# KiCad board 10p_4psw.kicad_pcb (continued)
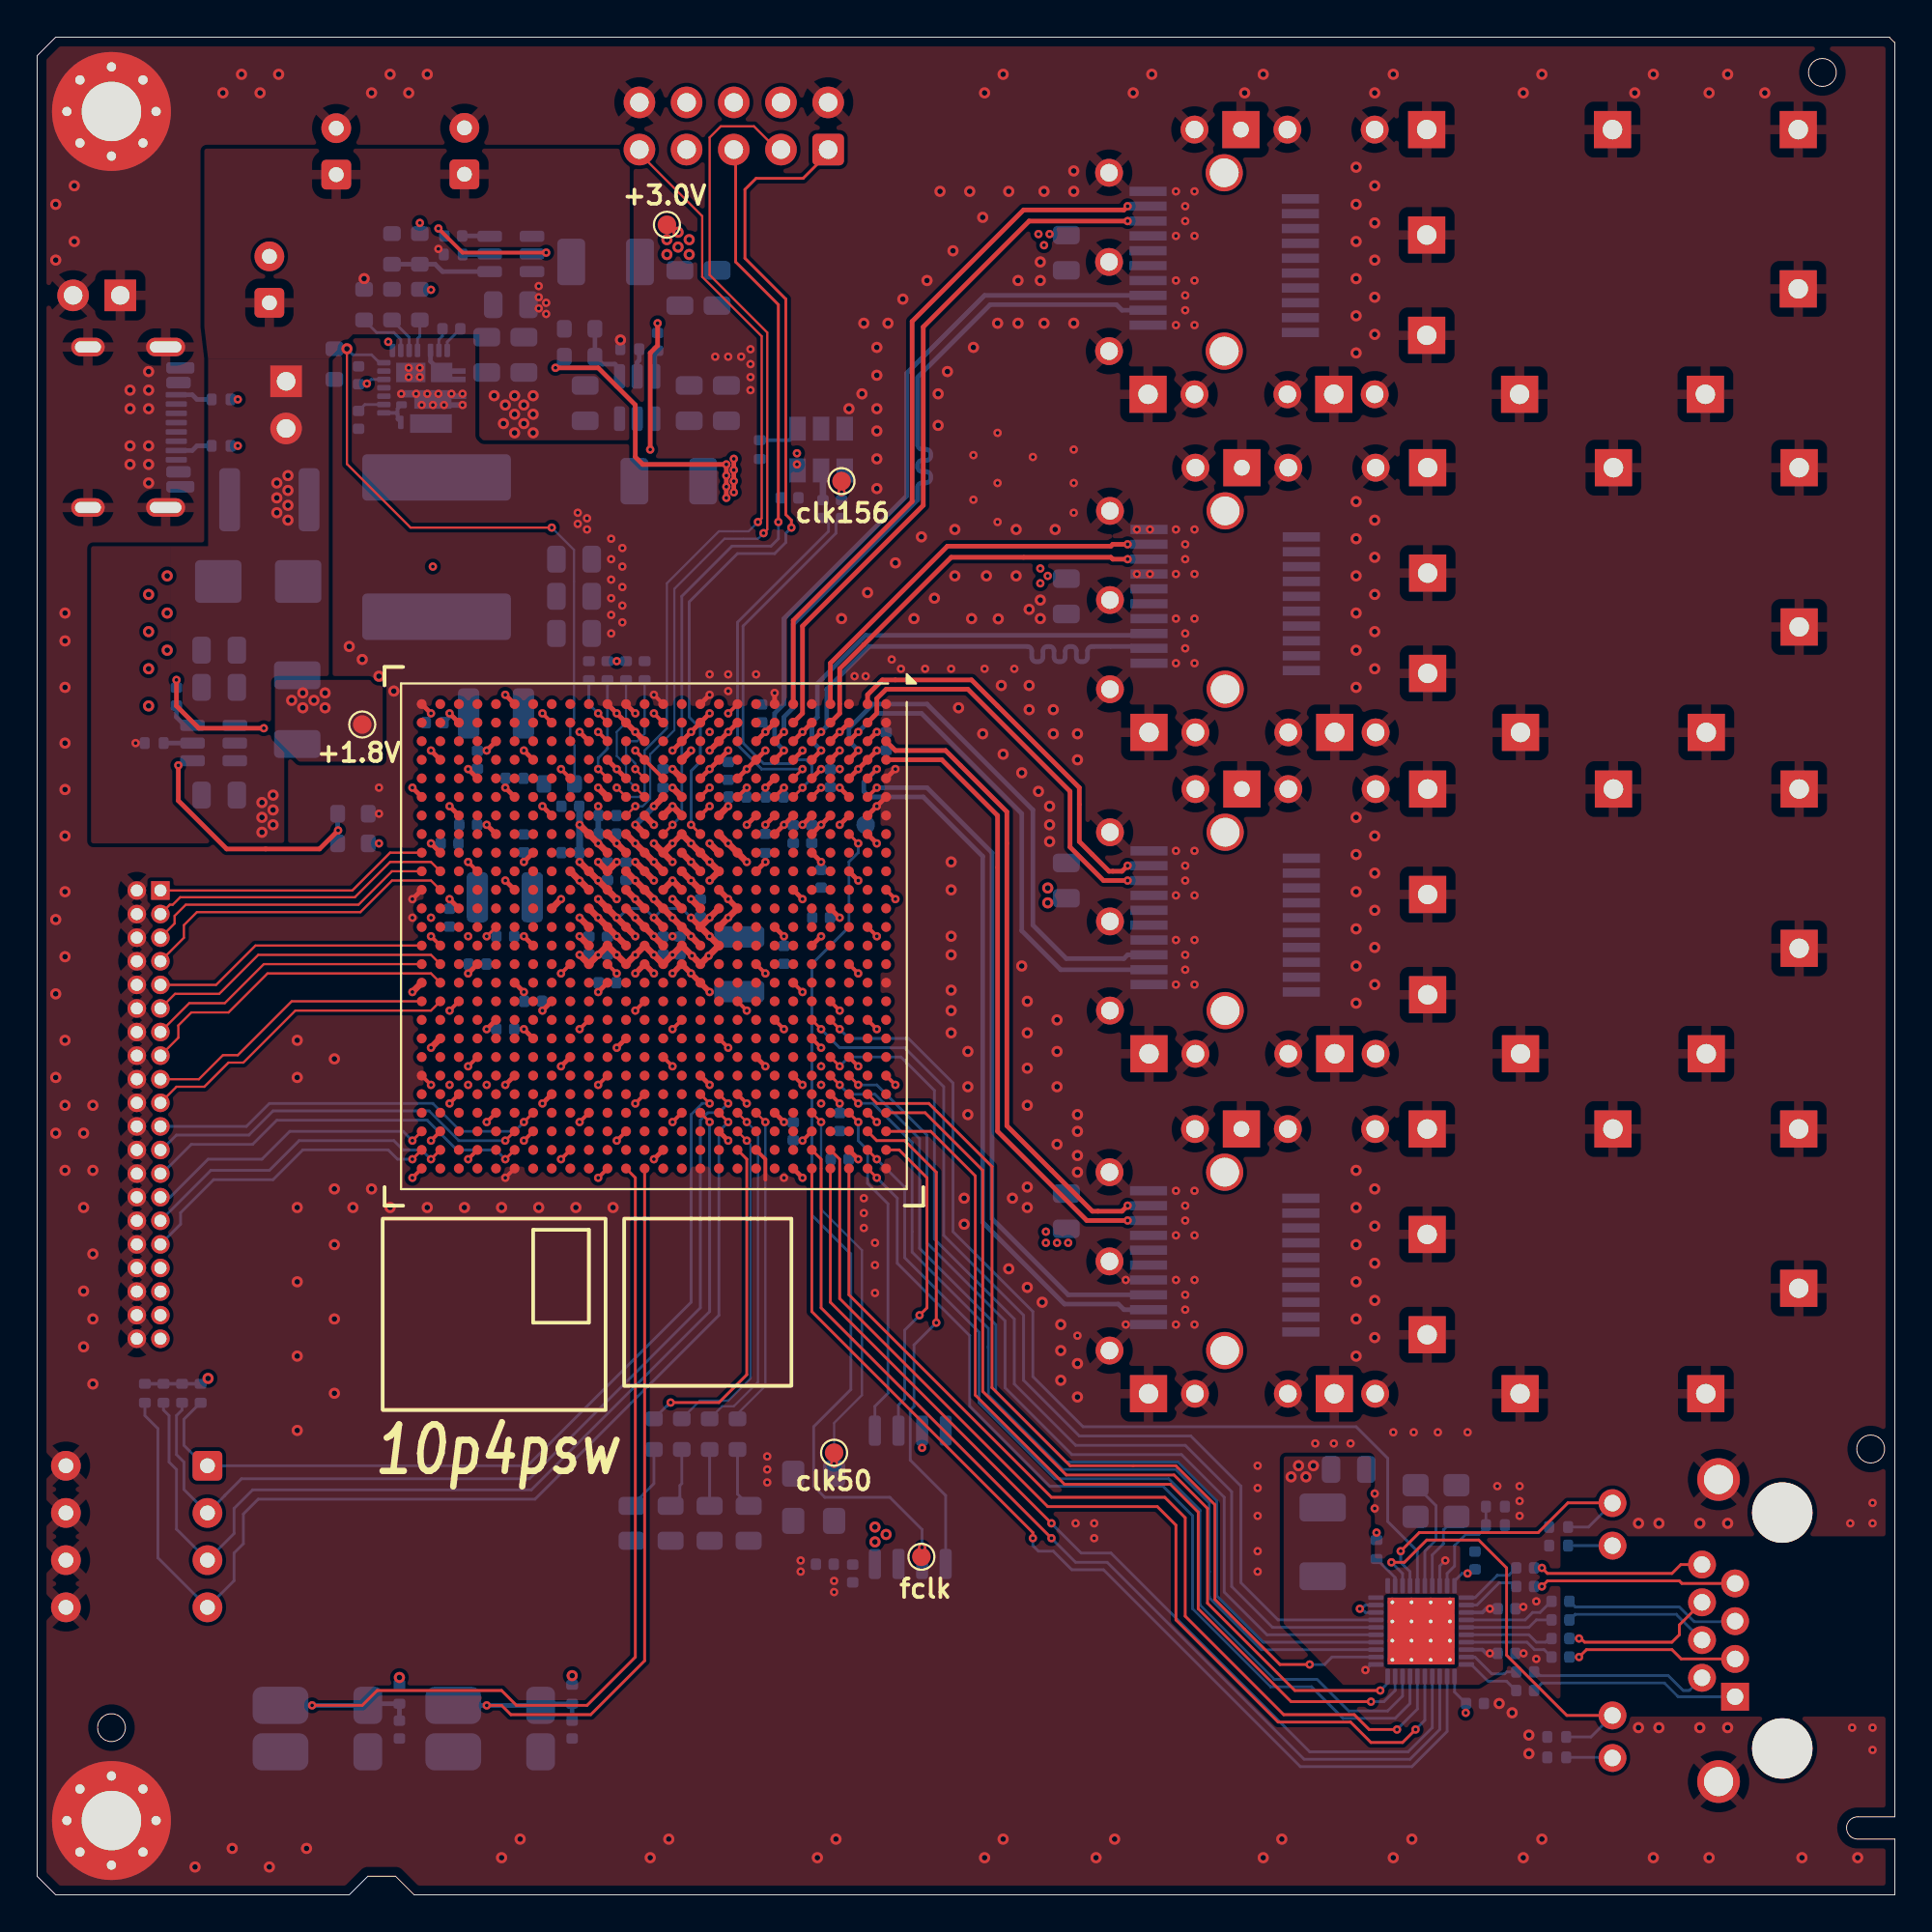
[diagram p0: board, top side]
## Routing (per net, layer and track width the routed paths; a pad name or vN(x,y) marks a point on that pad's centre or on a via; arc(x,y) is an arc through that point) (continued)
/clk50: length 21.7
  Top w0.12: U1.E23 v1(42.2,41.6)
  Bottom w0.12: v1(42.2,41.6) 42.2,36.9 44.4,34.7 44.4,26.9 42.9,25.4 Y2.3 v1(42.9,23.2)
/config_fclk: length 46.7
  Top w0.15: U1.C8 v1(44.2,56.6)
  Bottom w0.15: U5.6 v1(47.63,18.7) 47.63,19.66 45.9,21.4 42.4,21.4 41.8,22 41.8,25.2 43.8,27.2 43.8,34.5 41.7,36.6 41.7,50.1 43.7,52.1 43.7,55.6 44.2,56.1 v1(44.2,56.6)
/config_FCS: length 18.3
  Top w0.15: U1.C23 v1(44.2,41.6)
  Bottom w0.15: v1(44.2,41.6) 44.2,40.6 44.7,40.1 44.7,38.3 45.8,37.2 45.8,27 45.09,26.29 U5.1
/config_miso: length 17.1
  Top w0.15: v1(47.5,31.2) 47.9,31.6 47.9,38.6 46.4,40.1 U1.A25
  Bottom w0.15: U5.2 46.37,26.37 46.7,26.7 46.7,30.4 v1(47.5,31.2)
/config_mosi: length 27.1
  Top w0.15: v1(48.4,30.8) 48.4,38.9 46.7,40.6 45.2,40.6 U1.B24
  Bottom w0.15: U5.5 48.91,21.5 47,23.4 47,26.1 47.2,26.3 47.2,29.6 v1(48.4,30.8)
/dbp0: length 14.9
  Top w0.12: J9.1 16.97,54.06 19,56.1 U1.AF9
/dbp1: length 16.4
  Top w0.12: J9.3 7.14,53.3 7.3,53.3 7.7,53.7 17.1,53.7 19,55.6 21.2,55.6 U1.AE10
/dbp2: length 15.8
  Top w0.12: U1.AF10 19.1,55.1 17.3,53.3 8,53.3 7.4,52.7 7.4,52.29 J9.5
/dbp3: length 17.5
  Top w0.12: U1.AE11 21.2,54.6 19.1,54.6 17.4,52.9 8.6,52.9 7.9,52.2 7.9,51.52 J9.7
/dbp4: length 14.9
  Top w0.12: J9.9 9.64,48.98 11.75,51.1 U1.AF14
/dbp5: length 16.5
  Top w0.12: U1.AE15 21.2,50.6 11.9,50.6 9.8,48.5 7.42,48.5 J9.11
/dbp6: length 15.6
  Top w0.12: U1.AF15 12.2,50.1 10.1,48 8.19,48 J9.13
/dbp7: length 17.5
  Top w0.12: J9.15 7.6,46.14 7.6,46.8 8.3,47.5 10.3,47.5 12.4,49.6 21.2,49.6 U1.AE16
/dbp8: length 15.8
  Top w0.12: J9.17 8.7,43.91 10,45.2 10.8,45.2 13.7,48.1 U1.AF17
/dbp9: length 17.3
  Top w0.12: U1.AE17 21.2,47.6 13.9,47.6 11.1,44.8 10.3,44.8 9,43.5 7.5,43.5 6.64,42.64
/dip_sw0: length 46.1
  Top w0.15: U1.L22 v1(36.2,42.6)
  Bottom w0.15: R37.1 8.79,26.49 7.9,25.6 7.9,24.2 9,23.1 SW4.1 26.4,23.1 35.2,31.9 35.2,42 35.8,42.6 v1(36.2,42.6)
/dip_sw1: length 50.5
  Top w0.15: U1.K22 v1(37.2,42.6)
  Bottom w0.15: R36.1 7.8,26.1 7.5,25.8 7.5,23.7 7.9,23.3 7.9,21.82 SW4.2 10.1,21.49 10.1,21.5 11,22.4 26.5,22.4 35.7,31.6 35.7,41.7 36.1,42.1 36.7,42.1 v1(37.2,42.6)
/dip_sw2: length 53.7
  Top w0.15: U1.L23 v1(36.2,41.6)
  Bottom w0.15: v1(36.2,41.6) 36.2,31.4 26.6,21.8 11.6,21.8 10.6,20.8 10.6,19.45 SW4.3 7.5,19.69 7.5,22.9 7.1,23.3 7.1,25.8 6.8,26.1 R32.1
/dip_sw3: length 59.6
  Top w0.15: U1.K23 v1(37.2,41.6)
  Bottom w0.15: R31.1 5.8,25.8 6.5,25.1 6.5,18.15 SW4.4 10.6,16.91 10.6,18.4 11.1,18.9 11.1,20.5 11.9,21.3 26.8,21.3 36.7,31.2 36.7,41.1 v1(37.2,41.6)
/dph0: length 21.6
  Top w0.15: U1.Y23 v1(26.2,41.6)
  Bottom w0.15: J9.21 11.27,41.36 12.5,42.6 21.3,42.6 22.8,41.1 25.7,41.1 v1(26.2,41.6)
/dph1: length 20.8
  Top w0.15: U1.AA24 v1(25.2,40.6)
  Bottom w0.15: v1(25.2,40.6) 22.7,40.6 21.1,42.2 12.7,42.2 11.4,40.9 7.5,40.9 6.69,40.09 J9.23
/dph2: length 21.3
  Top w0.15: U1.AA25 v1(25.2,39.6)
  Bottom w0.15: v1(25.2,39.6) 24.7,40.1 22.6,40.1 21,41.7 12.9,41.7 11.6,40.4 8.3,40.4 6.72,38.83 J9.25
/dph3: length 15.9
  Top w0.15: U1.AF24 v1(20.2,40.6)
  Bottom w0.15: 6.64,37.56 7.16,37.56 9.2,39.6 12.1,39.6 13.6,41.1 19.7,41.1 v1(20.2,40.6)
/dph4: length 17.5
  Top w0.15: U1.AE25 v1(21.2,39.6)
  Bottom w0.15: J9.29 9.35,39 12.5,39 14.1,40.6 19.2,40.6 19.7,40.1 20.7,40.1 v1(21.2,39.6)
/dph5: length 16.9
  Top w0.15: U1.AF25 v1(20.2,39.6)
  Bottom w0.15: J9.31 7.72,36.1 7.72,36.72 9.5,38.5 12.7,38.5 14.3,40.1 18.9,40.1 19.4,39.6 v1(20.2,39.6)
/eth_attach_1: length 17.3
  Top w0.12: U1.H23 v1(39.2,41.6)
  Bottom w0.12: v1(39.2,41.6) 39.2,27.4 37.7,25.9 R38.2
/eth_attach_2: length 18.4
  Top w0.12: U1.J23 v1(38.2,41.6)
  Bottom w0.12: v1(38.2,41.6) 38.8,41 38.8,27.6 37.5,26.3 36.88,26.3 R39.2
/eth_attach_3: length 18.2
  Top w0.12: U1.J24 v1(38.2,40.6)
  Bottom w0.12: R50.2 35.68,26.6 37.2,26.6 38.4,27.8 38.4,40.4 v1(38.2,40.6)
/eth_attach_4: length 18.3
  Top w0.15: U1.J25 38.2,39.6 38.2,28 36.7,26.5 v1(34.1,26.5)
  Bottom w0.15: v1(34.1,26.5) 33.92,26.32 33.9,26.32 R19.2
/jTCK: length 45.1
  Top w0.15: v1(40.6,73.6) 40.6,74 40.3,74.3 40.3,85.9 38.1,88.1 38.1,91.8 38.7,92.4 41.23,92.4 42.58,93.75 ; U1.L8 v1(35.2,57.6)
  Bottom w0.15: v1(35.2,57.6) 35.2,60.5 35.7,61 35.7,62.8 35.1,63.4 35.1,69.6 37.7,72.2 39.7,72.2 40.3,72.8 40.3,73.3 v1(40.6,73.6)
/jTDI: length 43.2
  Top w0.12: v1(38.8,73.9) 39,74.1 39,83.9 35.8,87.1 35.8,90.37 32.42,93.75 ; U1.R6 v1(31.2,59.6)
  Bottom w0.12: v1(31.2,59.6) U1.R6 32.4,59.1 32.7,59.4 32.7,61.6 33.9,62.8 33.9,70.6 36.7,73.4 38.3,73.4 v1(38.8,73.9)
/jTDO: length 46.9
  Top w0.12: U1.R7 v1(32.2,58.6) ; v1(39.1,73.3) 39.3,73.5 39.3,84.1 36.2,87.2 36.2,94.6 36.8,95.2 38.59,95.2 40.04,93.75
  Bottom w0.12: v1(39.1,73.3) 38.8,73 37,73 34.3,70.3 34.3,62.7 33,61.4 33,59 32.6,58.6 v1(32.2,58.6)
/jTMS: length 41.4
  Top w0.15: 37.5,93.75 37.6,93.65 37.6,87.9 39.9,85.6 v1(39.9,73.9) ; U1.N8 v1(34.2,57.6)
  Bottom w0.15: v1(39.9,73.9) 39.9,73 39.5,72.6 37.4,72.6 34.7,69.9 34.7,58.1 v1(34.2,57.6)
/RGMII_CLK125: length 54
  Top w0.15: U1.D18 v1(43.2,46.6)
  Bottom w0.15: v1(43.2,46.6) 43.7,46.1 46.9,46.1 49.3,43.7 49.3,35.7 53.6,31.4 53.6,27.9 56.3,25.2 71,25.2 72.7,23.5 72.7,20.1 74.3,18.5 U4.35
/rgmii_mdc: length 55.6
  Top w0.15: v1(54.6,19.2) 42.2,31.6 42.2,39.6 U1.E25
  Bottom w0.15: v1(54.6,19.2) 55.9,17.9 57.6,17.9 68.2,7.3 73.9,7.3 75.5,8.9 U4.13
/rgmii_mdio: length 52.9
  Top w0.15: U1.D26 42.7,31.9 v1(54.6,20)
  Bottom w0.15: v1(54.6,20) 56.2,18.4 57.8,18.4 68.5,7.7 73.8,7.7 75.1,9 U4.14
/rgmii_phy_led1: length 23.5
  Top w0.15: v1(72.9,17.9) 73.6,17.9 74.8,19.1 77.6,19.1 79.1,17.6 79.1,12.9 82.34,9.66 J5.10
  Bottom w0.15: v1(72.9,17.9) 73.5,17.3 U4.33 ; R17.1 83.64,8.5 J5.10
/rgmii_phy_led2: length 17.5
  Top w0.15: J5.12 84.79,21.1 82.4,21.1 80.8,19.5 74.4,19.5 v1(73.4,18.5)
  Bottom w0.15: U4.34 73.9,17.4 73.4,17.9 v1(73.4,18.5) ; J5.12 83.51,19.8 R13.1
/rgmii_rst: length 56.2
  Top w0.15: U1.E26 41.7,31.4 53.6,19.5 v1(53.6,19.2)
  Bottom w0.15: U4.12 75.9,8.8 74,6.9 68,6.9 57.4,17.5 55.7,17.5 54.7,18.5 53.9,18.5 53.6,18.8 v1(53.6,19.2)
/rgmii_rx0: length 49.3
  Top w0.15: U1.C21 v1(44.2,43.6)
  Bottom w0.15: U4.25 66.2,14 63.9,16.3 63.9,21.4 61.6,23.7 55.7,23.7 52.1,27.3 52.1,30.9 47.9,35.1 47.9,40.9 45.2,43.6 v1(44.2,43.6)
/rgmii_rx1: length 50.5
  Top w0.15: U1.D21 v1(43.2,43.6)
  Bottom w0.15: v1(43.2,43.6) 43.7,43.1 45.1,43.1 47.5,40.7 47.5,34.8 51.6,30.7 51.6,27.1 55.4,23.3 61.4,23.3 63.5,21.2 63.5,16.1 66,13.6 U4.24
/rgmii_rx2: length 49.3
  Top w0.15: U1.C22 v1(44.2,42.6)
  Bottom w0.15: U4.23 65.9,13.2 63.1,16 63.1,21.1 61.3,22.9 55.2,22.9 51.2,26.9 51.2,30.5 47.1,34.6 47.1,40.5 45,42.6 v1(44.2,42.6)
/rgmii_rx3: length 50.2
  Top w0.15: U1.B22 45.2,42.6 48,42.6 51.4,39.2 51.4,27.3 55.6,23.1 61.3,23.1 63.4,21 63.4,15.9 66.9,12.4 v1(68.5,12.4)
  Bottom w0.15: U4.22 69.7,12.8 69.3,12.4 v1(68.5,12.4)
/rgmii_rxc: length 53.5
  Top w0.15: U1.E18 v1(42.2,46.6)
  Bottom w0.15: U4.27 66.8,14.8 64.8,16.8 64.8,22 62.1,24.7 56.1,24.7 53.1,27.7 53.1,31.2 48.8,35.5 48.8,43.5 46.7,45.6 43.2,45.6 v1(42.2,46.6)
/rgmii_rxctrl: length 52.2
  Top w0.15: U1.D20 v1(43.2,44.6)
  Bottom w0.15: U4.26 66.5,14.4 64.3,16.6 64.3,21.7 61.8,24.2 55.9,24.2 52.6,27.5 52.6,31 48.3,35.3 48.3,43.3 46.5,45.1 43.7,45.1 v1(43.2,44.6)
/rgmii_tx0: length 50.1
  Top w0.15: U1.B25 v1(45.2,39.6)
  Bottom w0.15: U4.18 73.5,10.7 72.7,9.9 70.6,9.9 68.9,11.6 66.6,11.6 62.6,15.6 62.6,20.7 60.9,22.4 54.8,22.4 50.7,26.5 50.7,30.3 46.7,34.3 46.7,38.1 v1(45.2,39.6)
/rgmii_tx1: length 50.5
  Top w0.15: U1.B26 v1(45.2,38.6)
  Bottom w0.15: v1(45.2,38.6) 46.3,37.5 46.3,34 50.2,30.1 50.2,26.3 54.5,22 60.6,22 62.2,20.4 62.2,15.4 66.4,11.2 68.6,11.2 70.3,9.5 73.1,9.5 73.9,10.3 U4.17
/rgmii_tx2: length 52.4
  Top w0.15: U1.C26 43.7,32.3 54.6,21.4 60.7,21.4 61.8,20.3 61.8,15 67.1,9.7 70.9,9.7 71.7,8.9 v1(73.2,8.9)
  Bottom w0.15: v1(73.2,8.9) 74.3,10 U4.16
/rgmii_tx3: length 55.5
  Top w0.15: U1.D25 43.2,39.6 43.2,32.1 54.4,20.9 60.3,20.9 61.3,19.9 61.3,14.8 66.8,9.3 70.7,9.3 71.8,8.2 73.5,8.2 v1(74.2,8.9)
  Bottom w0.15: v1(74.2,8.9) 74.7,9.4 U4.15
/rgmii_txc: length 50.4
  Top w0.15: U1.A23 47.8,42.1 50.9,39 50.9,27.1 55.4,22.6 61.2,22.6 63,20.8 63,15.7 67.7,11 v1(72.3,11)
  Bottom w0.15: v1(72.3,11) 72.7,11.4 U4.20
/rgmii_txctrl: length 51.1
  Top w0.15: U1.A24 48.1,41.1 50.5,38.7 50.5,26.9 55.3,22.1 61,22.1 62.5,20.6 62.5,15.4 67.5,10.4 v1(71.8,10.4)
  Bottom w0.15: U4.19 73.1,11 72.5,10.4 v1(71.8,10.4)
/SFP_REFCLK+: length 20.8
  Top w0.15: U1.F6 v1(41.2,59.6)
  Bottom w0.15: v1(41.2,59.6) 41.7,60.1 41.7,60.8 41.4,61.1 40.9,61.1 40.7,60.9 39.1,60.9 38,62 38,68.3 43,73.3 43,73.82 C9.2
/SFP_REFCLK-: length 19.1
  Top w0.15: U1.F5 v1(41.2,60.6)
  Bottom w0.15: v1(41.2,60.6) 39,60.6 37.7,61.9 37.7,68.5 42.6,73.4 42.6,73.82 C10.2
/SFP_RX0+: length 38.9
  Top w0.25: U1.G4 v1(40.2,61.6)
  Bottom w0.25: J1.13 51,86.1 46.8,81.9 46.8,75.3 40.2,68.7 40.2,64.1 39.7,63.6 39.7,62.1 v1(40.2,61.6)
/SFP_RX0-: length 38.9
  Top w0.25: U1.G3 v1(40.2,62.6)
  Bottom w0.25: J1.12 58.4,85.3 58.1,85.6 51.3,85.6 47.4,81.7 47.4,78.05 arc(47.47,77.88) 47.64,77.81 47.86,77.81 arc(48.03,77.74) 48.1,77.57 48.1,77.45 arc(48.03,77.28) 47.86,77.21 47.64,77.21 arc(47.47,77.14) 47.4,76.97 47.4,76.85 arc(47.47,76.68) 47.64,76.61 47.86,76.61 arc(48.03,76.54) 48.1,76.37 48.1,76.25 arc(48.03,76.08) 47.86,76.01 47.64,76.01 arc(47.47,75.94) 47.4,75.77 47.4,75.1 40.7,68.4 40.7,63.9 40.2,63.4 v1(40.2,62.6)
/SFP_RX1+: length 23.6
  Top w0.25: U1.E4 v1(42.2,61.6)
  Bottom w0.25: J2.13 59,67.9 58.9,67.8 44.6,67.8 42,65.2 42,63.4 41.7,63.1 41.7,62.1 v1(42.2,61.6)
/SFP_RX1-: length 25.2
  Top w0.25: U1.E3 v1(42.2,62.6)
  Bottom w0.25: v1(42.2,62.6) 42.5,62.9 42.5,64.9 44.8,67.2 53.3,67.2 arc(53.47,67.13) 53.54,66.96 53.54,66.62 arc(53.61,66.45) 53.78,66.38 53.9,66.38 arc(54.07,66.45) 54.14,66.62 54.14,66.96 arc(54.21,67.13) 54.38,67.2 54.5,67.2 arc(54.67,67.13) 54.74,66.96 54.74,66.62 arc(54.81,66.45) 54.98,66.38 55.1,66.38 arc(55.27,66.45) 55.34,66.62 55.34,66.96 arc(55.41,67.13) 55.58,67.2 55.7,67.2 arc(55.87,67.13) 55.94,66.96 55.94,66.62 arc(56.01,66.45) 56.18,66.38 56.3,66.38 arc(56.47,66.45) 56.54,66.62 56.54,66.96 arc(56.61,67.13) 56.78,67.2 58.9,67.2 59,67.1 J2.12
/SFP_RX2+: length 28.2
  Top w0.25: U1.C4 v1(44.2,61.6)
  Bottom w0.25: v1(44.2,61.6) 43.7,62.1 43.7,62.8 45,64.1 47.9,64.1 53.6,58.4 53.6,52.2 55.4,50.4 58.5,50.4 58.7,50.6 J10.13
/SFP_RX2-: length 26.2
  Top w0.25: U1.C3 v1(44.2,62.6)
  Bottom w0.25: v1(44.2,62.6) 45.2,63.6 47.6,63.6 53,58.2 53,51.9 55.1,49.8 J10.12
/SFP_RX3+: length 38.2
  Top w0.2: v1(45.2,59.6) U1.B6
  Bottom w0.25: v1(45.2,59.6) 47.9,59.6 51.4,56.1 51.4,36.4 55.5,32.3 J6.13
/SFP_RX3-: length 40.6
  Top w0.2: v1(45.2,60.6) U1.B5
  Bottom w0.25: J6.12 58.5,31.5 58.2,31.8 55.3,31.8 50.9,36.2 50.9,55.9 47.7,59.1 44.8,59.1 44.5,59.4 44.5,59.9 v1(45.2,60.6)
/SFP_TX0+: length 37.6
  Top w0.25: v1(58.7,90.1) 53.4,90.1 47.7,84.4 47.7,74.8 41.2,68.3 41.2,63.6 U1.F2
/SFP_TX0-: length 37.4
  Top w0.25: U1.F1 40.7,68.6 47.1,75 47.1,84.7 53.1,90.7 58.5,90.7 v1(58.7,90.9)
/SFP_TX1+: length 21.1
  Top w0.25: U1.D2 43.2,63.6 43.2,66 49.2,72 57.8,72 57.9,71.9 v1(58.7,71.9)
/SFP_TX1-: length 20.9
  Top w0.25: v1(58.7,72.7) 57.9,72.7 57.8,72.6 49,72.6 42.7,66.3 U1.D1
/SFP_TX2+: length 21.2
  Top w0.25: U1.B2 45.2,63.6 45.2,64.4 45.7,64.9 50.1,64.9 55.6,59.4 55.6,56.4 57.4,54.6 v1(58.7,54.6)
/SFP_TX2-: length 20.9
  Top w0.25: U1.B1 44.7,64.6 45.5,65.4 50.3,65.4 56.1,59.6 56.1,56.7 57.7,55.1 58.4,55.1 v1(58.7,55.4)
/SFP_TX3+: length 33.2
  Top w0.25: U1.A4 48.7,61.1 51.7,58.1 51.7,41.1 56.5,36.3 v1(58.7,36.3)
/SFP_TX3-: length 33.5
  Top w0.25: v1(58.7,37.1) 58.4,36.8 56.8,36.8 52.2,41.4 52.2,58.3 48.9,61.6 46.2,61.6 U1.A3
/sys_btn0: length 43.8
  Top w0.15: U1.P26 32.7,12.6 29.8,9.7 25.5,9.7 25,10.2 v1(24.2,10.2)
  Bottom w0.25: C85.1 R30.2 27.19,10.29 SW1.2 SW1.2
/sys_rst: length 53
  Top w0.15: U1.R26 32.2,38.6 32.2,12.8 29.6,10.2 25.8,10.2 25,11 18.3,11 17.5,10.2 v1(14.8,10.2)
  Bottom w0.25: C84.1 R29.2 17.89,10.29 SW2.2 v1(14.8,10.2) SW2.2
/tdm0+: length 3.3
  Bottom w0.15: C5.1 79.6,11 79.1,11.5 78.1,11.5 77.2,12.4 U4.10
/tdm0-: length 3.1
  Bottom w0.15: C6.1 79.1,12 79,11.9 78.3,11.9 77.4,12.8 U4.9
/tdm1+: length 4.9
  Bottom w0.15: U4.7 80.2,13.6 80.6,13.2 81.12,13.2 C8.1
/tdm1-: length 4.8
  Bottom w0.15: U4.6 80.3,14 80.7,13.6 81.2,13.6 81.4,13.8 C17.1
/tdm2+: length 4.7
  Bottom w0.15: U4.5 80.3,14.4 80.7,14.8 C7.1
/tdm2-: length 5
  Bottom w0.15: C36.1 81.5,15.8 80.9,15.2 80.5,15.2 80.1,14.8 U4.4
/tdm3+: length 3.3
  Bottom w0.15: C38.1 79.6,16.6 79.4,16.8 78.7,16.8 77.5,15.6 U4.2
/tdm3-: length 3.3
  Bottom w0.15: U4.1 77.4,16 78.6,17.2 79.22,17.2 C37.1
/V_{in}: length 3.4
  Bottom w0.15: R45.2 21.89,88.31 v1(21.6,88.6)
  Bottom w0.2: R8.2 31.39,83.69 v2(31.4,83.7)
  Bottom w0.25: R3.2 v1(5.3,62) ; R6.1 v2(17.6,87) ; 21.78,81.95 21.17,82.55 U2.22
  vias: v1(27,86.6) v1(27,86) v1(27,85.4) v1(27.4,85.7) v1(27.4,85.1) v2(12.1,58.8) v2(12.1,58) v2(12.1,57.2) v2(12.7,59.2) v2(12.7,58.4) v2(12.7,57.6) v2(12.9,76) v2(12.9,75.2) v2(12.9,74.4) v2(13.5,76.4) v2(13.5,75.6) v2(13.5,74.8) v2(13.5,74) v2(24.6,80.7) v2(25.1,79.2) v2(25.2,80.2) v2(25.7,80.7) v2(25.7,79.7) v2(25.7,78.7) v2(26.2,80.2) v2(26.2,79.2) v2(26.7,80.7) v2(26.7,79.7) v2(26.7,78.7)
Net-(C5-Pad2): length 11.3
  Bottom w0.15: C5.2 80.6,11 81,11.4 87.6,11.4 88.33,10.67 J5.1
Net-(C6-Pad2): length 9.7
  Bottom w0.15: J5.2 88.94,11 88.6,11 87.8,11.8 80.9,11.8 80.7,12 C6.2
Net-(C7-Pad2): length 7.8
  Bottom w0.15: C7.2 82.5,14.8 82.8,15.1 88.24,15.1 J5.4
Net-(C8-Pad2): length 9.3
  Top w0.15: v1(83,12.8) 83.4,13.2 88,13.2 88.5,12.7 J5.3
  Bottom w0.15: C8.2 v1(83,12.8)
Net-(C17-Pad2): length 8.4
  Top w0.15: v1(83,13.8) 83.1,13.8 83.3,13.6 88,13.6 88.4,14 88.4,14.53 J5.6
  Bottom w0.15: C17.2 v1(83,13.8)
Net-(C36-Pad2): length 9.4
  Bottom w0.15: C36.2 82.5,15.8 82.8,15.5 88.4,15.5 89.2,14.7 91.37,14.7 J5.5
Net-(C37-Pad2): length 9.4
  Top w0.15: v1(81,17.6) 81.3,17.3 88,17.3 88.48,17.78 J5.8
  Bottom w0.15: C37.2 v1(81,17.6)
Net-(C38-Pad2): length 11
  Top w0.15: v1(81,16.6) 81.3,16.9 88.4,16.9 88.54,16.76 J5.7
  Bottom w0.15: C38.2 v1(81,16.6)
Net-(D1-A): length 3.2
  Bottom w0.15: 38.3,20.97 37.7,21.57 R38.1
Net-(D2-A): length 3
  Bottom w0.15: 36.2,20.97 R39.1
Net-(D3-A): length 3.3
  Bottom w0.15: 34.1,20.97 34.14,20.97 34.6,21.44 34.6,22.04 34.7,22.14 R50.1
Net-(D5-A): length 3.5
  Bottom w0.15: R19.1 33.2,22.14 D5.2
Net-(J3-CC1): length 2
  Bottom w0.25: J3.A5 8.35,77.75 8.6,78 R43.1
Net-(J3-CC2): length 2
  Bottom w0.25: R44.1 8.6,80.5 8.35,80.75 J3.B5
Net-(J5-Pad9): length 2.5
  Bottom w0.15: R18.2 84.77,7.4 J5.9
Net-(J5-Pad11): length 2.4
  Bottom w0.15: J5.11 82.41,18.8 R15.2
Net-(U1F-MGTRREF_115): length 0.7
  Top w0.35: U1.M6 v1(34.2,59.6)
Net-(U1G-INIT_B_0): length 1.2
  Top w0.25: U1.G7 v1(39.2,57.6)
  Bottom w0.2: R24.2 v1(39.2,57.6)
Net-(U1G-M0_0): length 5.7
  Top w0.15: U1.T5 v1(30.2,60.6)
  Bottom w0.15: v1(30.2,60.6) 30.2,61.2 30.7,61.7 R14.2
Net-(U1G-M1_0): length 2.7
  Top w0.15: U1.T2 v1(30.2,63.6)
  Bottom w0.15: R16.2 29.7,64.1 v1(30.2,63.6)
Net-(U1G-M2_0): length 6.4
  Top w0.12: U1.P5 v1(32.2,60.6)
  Bottom w0.12: R22.2 32.7,62.5 32.3,62.1 31.9,62.1 31.7,61.9 31.7,61.4 32.2,60.9 v1(32.2,60.6)
  Bottom w0.15: R22.2 32.69,65.39
Net-(U1G-PROGRAM_B_0): length 7.1
  Top w0.12: U1.P6 v1(32.2,59.6)
  Bottom w0.12: v1(32.2,59.6) 31.7,60.1 31.7,60.8 31.2,61.3 31.2,62.6 31.7,63.1 R23.2
Net-(U2-BOOT): length 1.2
  Bottom w0.15: U2.23 21.62,83.72 21.82,83.92 C22.1
Net-(U2-EN): length 3
  Bottom w0.15: 17.6,84.78 18.28,84.1 19.2,84.1 19.58,83.72 19.58,83.14
Net-(U2-FB): length 36.1
  Top w0.12: v2(16.67,83.22) 16.67,77.03 20.1,73.6 v1(27.7,73.6)
  Bottom w0.12: R1.2 28.92,61.88 28.7,62.1 28.7,63.1 28.9,63.3 28.9,72.4 v1(27.7,73.6)
  Bottom w0.15: U2.17 18.42,82.47 18,82.9 17,82.9 v2(16.67,83.22) 16,83.22
Net-(U2-GL-Pad10): length 1.9
  Bottom w0.2: 19.4,79.7 19.33,79.78 U2.11 ; 19.4,79.7 19.4,79.44 19.58,79.27 ; 19.4,79.7 19.4,80 U2.28
Net-(U2-MODE1): length 1.7
  Bottom w0.15: 20.6,84.78 20.6,83.9 20.47,83.78 U2.21
Net-(U2-MODE2): length 2
  Bottom w0.15: 19.1,84.78 20.03,83.85 U2.20
Net-(U2-PHASE): length 1.5
  Bottom w0.15: C22.2 22.08,83.59 22.08,83.14
Net-(U2-V_{DD}): length 9.3
  In1.Cu w0.25: v1(21.2,86.4) 19.9,86.4 17.75,84.25 v1(17.75,81.35)
  Bottom w0.15: C19.1 17.72,81.32 v1(17.75,81.35) 17.97,81.58 U2.15
  Bottom w0.2: R4.1 21.17,86.42 v1(21.2,86.4)
Net-(U2-V_{DRV}): length 1.5
  Bottom w0.15: 18.66,80.22 17.64,80.22 C18.1
Net-(U3-BST): length 1.5
  Bottom w0.25: C111.1 24.34,89.3 U3.6
Net-(U3-EN): length 1.5
  Bottom w0.25: R45.1 24.33,88.3 U3.5
Net-(U3-FB): length 5.4
  Bottom w0.25: 19.1,87.78 21.42,87.78 21.82,87.38 U3.4
Net-(U3-SW): length 6.9
  Top w0.2: v1(27.4,88.4) 22.9,88.4 v1(21.6,89.7)
  Bottom w0.15: v1(21.6,89.7) 21.92,89.38 C111.2
Net-(U4-LED0): length 1.9
  Bottom w0.15: U4.32 73.1,17.08 R12.1
Net-(U4-RSET): length 5.5
  Bottom w0.15: R11.2 R7.2 77.99,19.79 77.6,19.4 76.9,19.4 76.3,18.8 76.3,17.7 75.9,17.3 U4.39
Net-(U4-XTAL1): length 6.1
  Bottom w0.15: Y3.3 75.3,20.95 75.3,19.1 74.7,18.5 U4.36
Net-(U4-XTAL2): length 4.3
  Bottom w0.15: U4.37 75.1,18.3 75.7,18.9 75.7,19.65 Y3.1
Net-(U6-BST): length 1.5
  Bottom w0.25: U6.6 33.25,83.13 33.32,83.2
Net-(U6-EN): length 1.5
  Bottom w0.25: R8.1 32.41,82.61 32.3,82.5 U6.5
Net-(U6-FB): length 3.5
  Bottom w0.25: R9.2 R10.1 30.42,82.4 31.1,82.4 31.35,82.15 U6.4
Net-(U6-SW): length 7.5
  Top w0.25: v1(33.4,84.6) 33.4,83.4 33,83 v1(33,77.8)
  Bottom w0.25: C49.2 v1(33.4,84.6)
Net-(U8-BST): length 1.7
  Bottom w0.25: U8.6 7.95,62.95 7.5,63.4 C50.1
Net-(U8-EN): length 1.6
  Bottom w0.25: U8.5 R3.1
Net-(U8-FB): length 13.6
  Top w0.25: v1(7.6,60.8) 7.6,58.9 10.2,56.3 15.2,56.3 v1(16.2,57.3)
  Bottom w0.25: R28.2 R27.1
Net-(U8-SW): length 7
  Top w0.25: v1(7.5,65.4) 7.5,64 8.7,62.8 v1(12.2,62.8)
  Bottom w0.25: C50.2 v1(7.5,65.4)
Net-(Y1-OE): length 2.4
  Bottom w0.2: R33.2 40.51,78.31 40.93,78.73 Y1.1
Net-(Y1-OUT+): length 1.7
  Bottom w0.35: C9.1 v1(43.3,75.5) 43.3,76.5 Y1.4
Net-(Y1-OUT-): length 1.6
  Bottom w0.35: Y1.5 42.3,76.58 C10.1

## Copper pours and planes (outline as drawn; the poured copper is in the pictures)
+1V0 on Bottom: 28.7,62.2 23.7,62.2 23.7,53.1 28.7,53.1
+1V0 on Bottom: 35.7,49.6 35.7,54.1 24.7,54.1 24.7,49.6
+1V0 on Bottom: 28.7,67.1 22.7,67.1 22.7,57.99 28.7,58
+1V0 on Bottom: 19.5,65.4 16.5,68.3 16.5,72.3 28.4,72.3 28.4,65.4
+1V0 on Bottom: 44.7,55.1 44.7,60.1 35.2,60.1 35.2,55.1
+1V0 on Bottom: 39.1,50.1 41.2,51.2 41.2,57.6 32.9,57.6 32.9,55.1 35.7,55.1 35.7,50.1
+1V2 on Bottom: 34.2,74.4 37,74.4 38.4,75.8 38.4,79.8 34.2,79.8
+1V2 on In1.Cu: 32.7,60.1 32.7,68 46.2,68 46.2,60.1
+1V2 on In1.Cu: 32.1,77.5 40,77.5 40,64 32.1,64
+1V8 on Top: 14.1,61 12.8,62.3 12.8,65.4 18.6,65.4 18.6,61
+1V8 on Bottom: 32.9,58.6 32.9,54.1 28.7,54.1 28.7,58.61 30.7,58.6
+1V8 on Bottom: 35.7,55.1 35.7,53.1 32.7,53.1 32.7,55.1
+1V8 on Bottom: 11.5,63.4 10.2,64.2 10.2,67.8 16,67.8 16,63.4
+1V8 on In1.Cu: 29.7,65.4 29.7,59.1 33.7,59.1 35.7,57.1 35.7,52.6 27.7,52.6 27.7,47.1 25.2,44.6 18.4,44.6 18.4,54.3 13.3,54.3 13.3,65.4
+3V0 on Bottom: 60.9,69.2 58.8,69.2 57.7,70.3 53.7,70.3 53.7,72 57.9,72 59.2,70.7 60.9,70.7
+3V0 on Bottom: 60.9,51.9 58.8,51.9 57.7,53 53.7,53 53.7,54.7 57.9,54.7 59.2,53.4 60.9,53.4
+3V0 on Bottom: 60.8,87.4 58.7,87.4 57.6,88.5 53.6,88.5 53.6,90.2 57.8,90.2 59.1,88.9 60.8,88.9
+3V0 on Bottom: 60.9,33.6 58.8,33.6 57.7,34.7 54,34.7 54,36.4 57.9,36.4 59.2,35.1 60.9,35.1
+3V0 on Bottom: 37.3,87.9 35.3,89.9 31.2,89.9 31.2,85.5 35.5,85.5 37.3,86.36
+3V0 on Bottom: 41.4,75 41.41,78 38.6,78 38.6,76.4 40,75
+3V0 on Bottom: 46.7,16.9 44.8,16.9 44.2,17.5 42.6,17.5 42.6,20.8 45.7,20.8 46.7,19.8
+3V0 on In1.Cu: 78,8 11,7.99 11,27 5,27 5,72 15,72 15,98 70,98 70,25 78,25
/AVDD10 on Top: 78.91,12.1 77.6,11.3 70.3,11.3 67.1,14.6 67.1,23.6 71.8,23.6 71.8,17.9 74,17.9 74.9,18.8 76.6,18.8 76.6,16.9 78.9,16.9
/AVDD10 on Bottom: 67.1,19.4 67.1,23.6 70.1,23.6 71.3,22.4 71.3,19.4
/VBUS on Bottom: 6.9,75.3 9.3,72.7 12.3,72.7 12.3,81.7 7,81.7
GND on Top, Bottom, In1.Cu, In2.Cu: 106,-7 -4,-7 -4,109 106,109
GND on In2.Cu: 77,11.8 72,11.8 72,16.6 77,16.6
/V_{in} on Top: 15.7,82.7 17,84 23.8,84 23.8,78.5 24,78.3 31.9,78.3 31.9,94 9,94 9,84.4 9.2,82.7
/V_{in} on Top: 7.2,64.9 15.7,64.9 15.7,82.7 9.2,82.7 9.2,72.6 7.2,72.6
/V_{in} on Top: 7.2,65 13.3,65 13.3,56.6 2.9,56.6 2.9,72.6 7.2,72.6
/V_{in} on Bottom: 25.9,87.7 25.9,84.8 27.7,84.8 27.7,86.2 27.2,87.7
/V_{in} on Bottom: 9.9,61.4 11.2,61.4 12,59.8 13.3,59.8 13.3,56.8 9.9,56.8
/V_{in} on Bottom: 15.7,69.4 15.7,82.7 11.7,82.7 11.7,69.4
/V_{in} on Bottom: 27.1,78.3 31.1,78.3 31.7,78.8 31.7,80.1 27.1,80.1
/V_{in} on Bottom: 28.4,82.6 22.1,82.6 22.1,80.2 24,78.3 28.4,78.3
Net-(U2-SW) on Bottom: 27.1,73.1 16.5,73.1 16.5,78.3 19.8,79.1 19.8,79.9 22.2,79.9 24,78.1 27.1,78.1
Net-(U3-SW) on Bottom: 26,87.9 27.3,87.9 28,85.5 29.9,85.5 29.9,89.9 27.5,89.9 27.5,89 26,89
Net-(U4-REG_O) on Bottom: 72.5,15.8 68.7,15.8 67,16.4 67,18.7 71.3,18.7 72.5,16.6
Net-(U6-SW) on Bottom: 32.6,80.1 32.6,78.8 33.9,77.5 33.9,74.4 31.1,74.4 31.1,78.3 31.7,78.8 31.7,80.1
Net-(U8-SW) on Bottom: 10,61.6 11.2,61.6 12.1,59.9 16,59.9 16,63.2 11.2,63.2 11.2,62.6 10,62.6

## Text on the board
B.Silkscreen: 0 / 1 / 2 / 3 / 4 / 5 / 6 / 7 / 8 / 9 | ZS25 | 3.3V | 1.8V | ERROR | FLOW | PACKET | CONFIG / FLASH | SFP+ ATTACH | 100Mbps LINK | 1Gbps LINK | RST | STATUS | JTAG / IO=3.30V | OPT 0 / 1 / 2 / 3 | SFP+ CH1 | SFP+ CH2 | SFP+ CH0 | SFP+ CH3 | 10Gbps / SFP+ | Cu PHY | CLASS 1 / LASER
F.Silkscreen: +1.8V | +3.0V | clk156 | clk50 | fclk | 10p4psw
